# Altium PCB BACKPMANv21.PcbDoc (part 3 of 5) (continued)
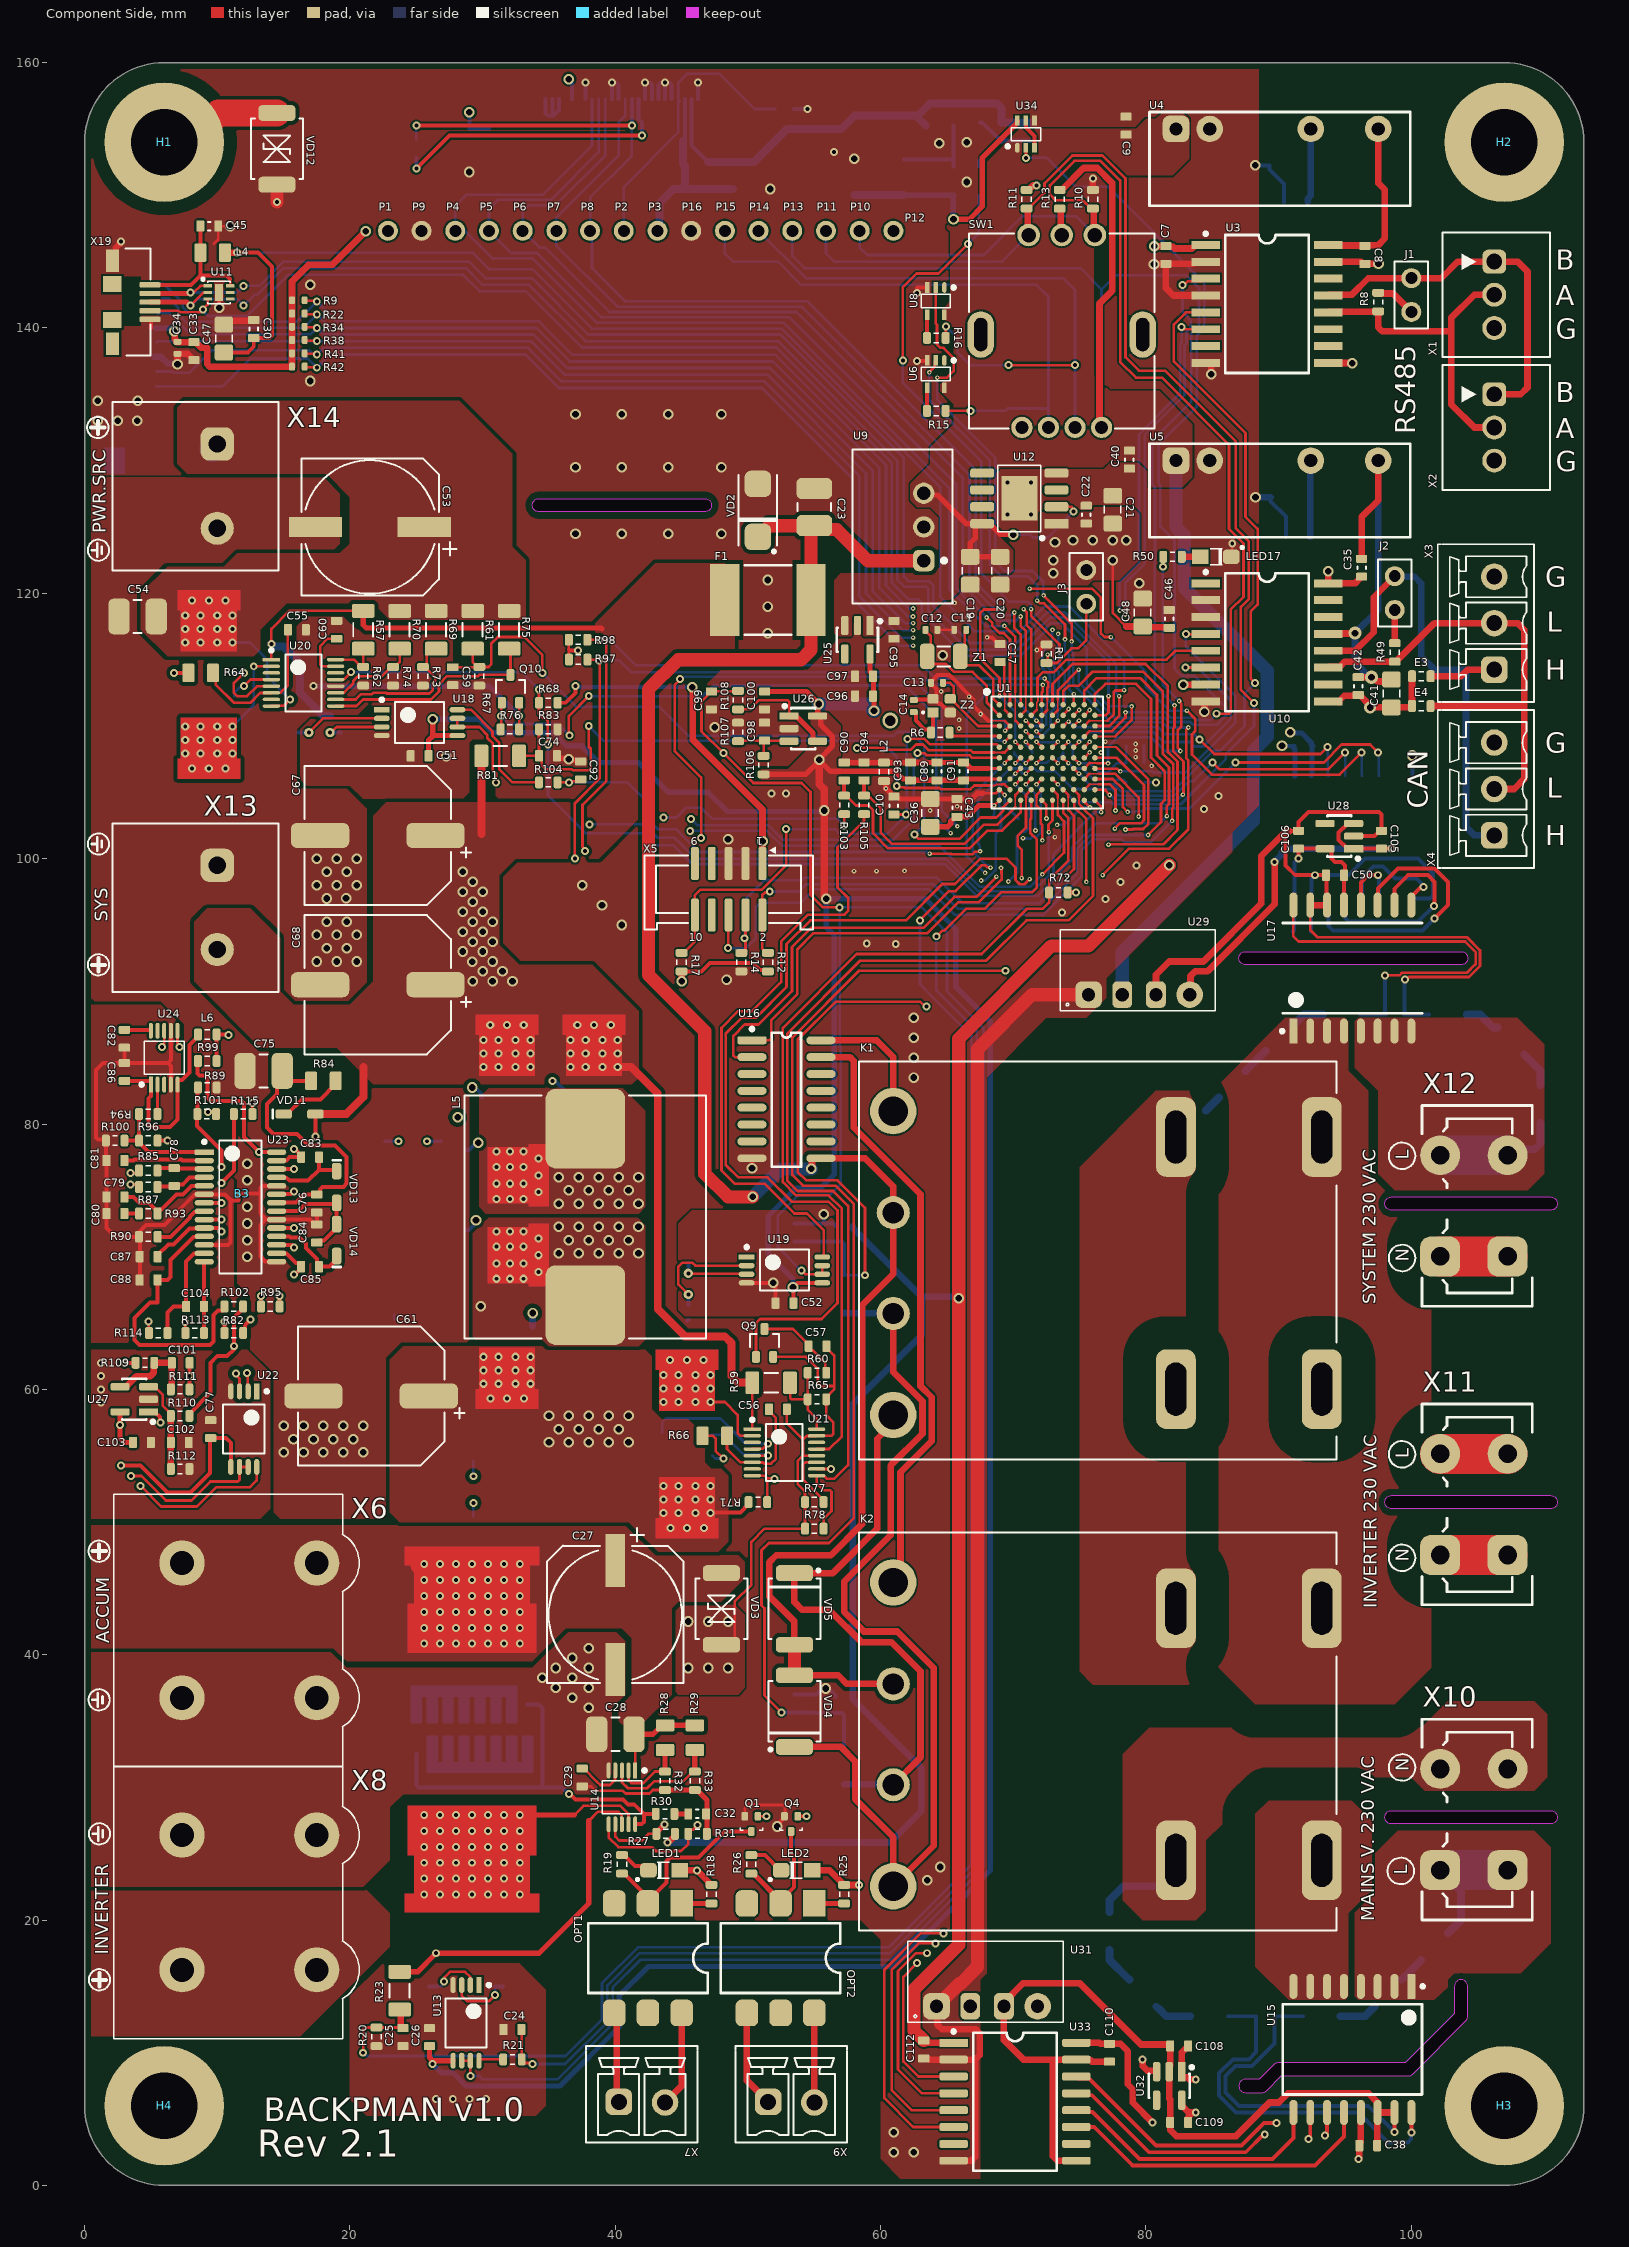
[diagram p0: Component Side view]
## Nets (pads, with @x,y where several pads share a name; then routed paths per layer and width w, separated by ;. In a path a pad name is that pad's centre, name@x,y a point inside that pad or via, vN(x,y) a via of type N, cw(c..) or ccw(c..) an arc to the next point about the centre after c; other vN are vias at no path point) (continued)
  Component Side w0.4: L2.1@60.25,105.85 60.293,105.85 60.393,105.75 v3(60.393,105.282) 60.775,104.9 60.775,104.775 60.875,104.675 C10.2@61,104.675 61.1,104.575 61.384,104.575 61.459,104.5 C36.1@63.75,104.5 C43.1@65.75,104.5 66.857,104.5 67.282,104.925 67.689,104.925
  Component Side w0.5: X19.G1@2.097,145.08 2.347,145.33 2.347,146.042 2.75,146.446 v2(2.75,146.5) ; v1(7,137.25) C34.1@7,138.048 7.777,138.048 8.075,137.75 8.075,137.625 8.125,137.575 C33.1@8.25,137.575 ; C47.2@10.5,140.25 10.8,140.55 12.7,140.55 C30.2@12.75,140.6 ; C112.1@63.25,9.525 63.63,9.525 63.675,9.48 U33.2@65.5,9.48 67.13,9.48 ; U31.1@64.21,13.5 64.275,13.435 64.275,12.1 64.6,11.775 67.175,11.775 67.475,11.475 67.475,9.825 67.13,9.48 ; U33.8@65.5,1.86 65.511,1.871 66.837,1.871 67.13,2.164 67.13,9.48 ; R11.2@71,150.4 71.15,150.4 71.481,150.731 71.731,150.731 v2(71.75,150.75) ; R10.2@76,150.4 v2(76,151.25) ; C9.1@78.5,155.925 C9.1@78.55,155.875 ; v1(79.5,120.75) v1@79.557,120.693 ; v1(80.6,144.8) 80.612,144.812 81.488,144.812 C7.2@81.5,144.825 ; v1(84.404,111.074) 84.404,111.81 84.454,111.86 U10.8@84.5,111.86 ; U10.3@84.5,118.21 U10.3@85.275,118.21 ; U3.8@84.5,137.36 84.875,137.36 84.925,137.31 v1(84.925,136.5) ; U3.2@84.5,144.98 83.725,144.98 83.57,144.825 C7.2@81.5,144.825 ; U3.4@84.515,142.425 U3.4@84.5,142.44 82.06,142.44 81.5,143 C7.2@81.5,144.825 ; U4.2@84.8,155 U4.2@84.8,155.406
  Component Side w1: v2(14.5,149.5) VD12.1@14.5,150.8 ; VD2.2@50.75,128.25 VD2.2@51.1,127.9 ; U31.1@64.21,13.5 64.735,14.025 64.755,14.025 65.93,15.2 66.022,15.2 67.3,16.478 67.3,85.65 71.4,89.75 U29.1@75.67,89.75 ; C21.1@77.4,127.35 C21.1@77.5,127.35 C21.1@77.6,127.25
  Bottom Layer w0.2: C39.1@68.5,110.425 69.225,110.425 69.39,110.26 v3(69.39,109.642) ; v3(69.35,104.8) 69.35,104 69.75,103.6 69.807,103.6 70.35,103.057 C18.1@70.35,103 ; v3(70.95,108.8) 70.979,108.771 70.979,108.571 71.425,108.125 C58.1@71.425,108 ; v3(71.75,108.8) 71.779,108.771 72.625,108.771 C37.1@72.669,108.727 72.714,108.771 73.321,108.771 v3(73.35,108.8) ; C16.2@79.85,107.25 C15.2@79.85,108.5 ; U30.2@92.452,106.278 U30.2@92.48,106.25
  Bottom Layer w0.3: LCD1.1@34.75,157.25 34.75,156.176 34.926,156 35.25,156 LCD1.2@35.25,157.25 ; 35.338,156 35.75,156.412 LCD1.3@35.75,157.25 ; LCD1.7@37.75,157.25 v2(37.75,158.5) ; LCD1.11@39.75,157.25 v2(39.75,158.5) 39.8,158.45 40.124,158.45 40.25,158.324 LCD1.12@40.25,157.25 ; LCD1.16@42.25,157.25 v2(42.25,158.5) 42.3,158.45 42.624,158.45 42.75,158.324 LCD1.17@42.75,157.25 ; LCD1.18@43.25,157.25 43.25,158.324 43.376,158.45 43.7,158.45 v2(43.75,158.5) ; LCD1.19@43.75,157.25 v2(43.75,158.5) ; LCD1.20@44.25,157.25 44.25,158.324 44.124,158.45 43.8,158.45 v2(43.75,158.5) ; LCD1.24@46.25,157.25 v2(46.25,158.5) ; R3.1@53.45,156.5 v2(54.5,156.5) ; C49.2@53.5,37 R54.1@55,37 55.15,37 55.504,37.354 55.754,37.354 v1(55.85,37.45) 55.946,37.354 56.196,37.354 56.6,36.95 VD7.1@56.6,36.8 ; C44.2@53.5,72.5 R52.1@55,72.5 55.725,72.5 ; v1(55.725,73.2) 55.725,72.5 ; VD6.1@56.6,72.3 56.6,72.35 56.45,72.5 55.725,72.5 ; v1@88.247,152.25 R116.1@89.325,152.25 89.325,151.925 90.4,150.85 C113.2@90.4,149.5 ; R117.1@89.4,127.25 89.4,126.925 90.55,125.775 C114.2@90.55,124.25 ; v1(100.075,107.775) 100.087,107.763 100.087,106.262 U30.8@100.1,106.25
  Bottom Layer w0.4: v1(90.88,109.54) 90.957,109.463 91.737,109.463 92.45,108.75 92.45,108.6 C111.1@92.55,108.5 ; U30.2@92.452,106.278 92.515,106.34 92.515,108.438 C111.1@92.564,108.486
  Bottom Layer w0.5: uSD1.6@5.243,137.815 5.763,137.815 6.27,137.307 6.943,137.307 v1(7,137.25) ; P9.1@25.209,147.511 P9.1@25.4,147.32 ; U4.2@84.8,154.625 U4.2@84.8,155 ; v1(88.25,127.25) R117.1@89.4,127.25
  other v1: 61,2.5 62.5,2.5 61,4 63.5,23 64.5,24 62.5,83.5 62.5,85 62.5,86.5 62.5,88 40.5,95 39,96.5 37.5,98 48.5,101.475 64.677,115.333 51.5,117 51.5,119 51.5,121 37,124.5 40.5,124.5 44,124.5 48,124.5 37,129.5 40.5,129.5 44,129.5 48,129.5 1,133 2.5,133 3.975,133 37,133.5 40.5,133.5 44,133.5 48,133.5 1,134.5 4,134.5 51.675,150.475 66.5,151 28.997,151.753 88.247,152.253 58,152.75 64.425,153.925 66.5,154
  other v2: 61.138,93.574 58.953,93.599 73.685,95.936 76.962,96.952 78.08,98.247 79.273,99.492 84.379,103.734 85.471,104.724 51.765,104.927 52.883,104.927 62.75,142.65 56.5,153.25
  other v3: 57.988,99.06 59.69,99.06 61.798,99.085 73.127,101.625 63.729,103.632 65.761,103.937 80.425,107 79.223,107.645 76.6,108 79.223,108.153 79.223,108.636 76.937,108.814 65.913,109.804 65.913,110.465 67.541,110.904 66.67,112.21 64.567,112.598 66.573,118.225 65.583,119.278
  other v5: 69.55,125.955 71.35,125.955 69.55,128.355 71.35,128.355
  other v6: 17,136 17,143.25
  other v8: 60.725,110.4
I1+3V3: C50.1 C106.1 C107.2 U17.13 U28.5 U30.16 | length 13.8
  Component Side w0.3: v2(91.5,100) C106.1@91.5,100.75 U28.5@93.5,100.75 93.85,100.75 93.975,100.625 93.975,100.025 94.25,99.75 94.75,99.75 95,99.5 95,98.825 C50.1@94.925,98.75 94.922,98.747 94.922,96.502 U17.13@94.92,96.5
  Bottom Layer w0.3: C107.2@91.075,94.5 91.142,94.568 91.142,96.932 U30.16@91.21,97 91.21,99.71 v2(91.5,100)
I1+5V: C105.1 U28.1 U28.3 U29.4 | length 28.7
  Component Side w0.3: U28.3@95.65,102.65 95.2,102.65 94.875,102.325 94.861,102.325 94.517,101.981 94.517,101.419 94.861,101.075 94.875,101.075 95.2,100.75 U28.1@95.65,100.75 C105.1@97.75,100.75 v2(98.5,100.75)
  Component Side w0.5: U29.4@83.29,89.75 83.357,89.817 83.357,91.157 83.7,91.5 84.625,91.5 89.7,96.575 v2(89.7,99.75)
  Bottom Layer w0.5: v2(89.7,99.75) 89.7,99.777 90.185,100.262 90.185,100.396 90.538,100.75 v2(98.5,100.75)
I1_GND: C50.2 C105.2 C106.2 C107.1 R46.2 R47.1 U17.14 U17.15 U28.2 U29.3 U30.9 U30.15 | length 83.3
  Component Side w0.2: U17.15@92.38,96.5 92.38,94.62 92.925,94.075 104.191,94.075 105.175,93.09 105.175,91.91 104.34,91.075 99.827,91.075 99.627,90.875 v2(99.519,90.875)
  Component Side w0.3: 90.5,101.75 90.5,99.5 91.25,98.75 v2(92.75,98.75) C50.2@93.575,98.75 93.612,98.712 93.612,96.538 U17.14@93.575,96.5 ; 90.816,102.066 91.466,102.066 C106.2@91.5,102.1 91.5,102.75 92.25,103.5 97.574,103.5 97.75,103.324 C105.2@97.75,102.1 97.625,102.1 97.225,101.7 U28.2@95.65,101.7
  Component Side w0.5: U29.3@80.75,89.75 80.75,91.25 81.75,92.25 84.325,92.25 88.675,96.6 88.675,100.175 90.375,101.875 90.566,102.066 90.816,102.066 ; U17.15@92.38,96.5 U17.14@93.575,96.5
  Bottom Layer w0.3: C107.1@92.425,94.5 92.452,94.528 92.452,96.972 U30.15@92.48,97 92.48,98.48 v2(92.75,98.75) 95.25,98.75 96.5,100 100.5,100 101.626,98.874 101.626,97.236 101.39,97 U30.9@100.1,97 ; v2(99.519,90.875) 99.484,90.84 99.484,88.284 R46.2@99.45,88.25 R47.1@101.325,88.25
I1_SPI1_CS: U17.9 U30.12 | length 9.1
  Component Side w0.3: U17.9@100,96.5 100,97.15 100.644,97.794 100.843,97.794 v2(100.9,97.852)
  Bottom Layer w0.3: U30.12@96.29,97 96.29,98.54 97.15,99.4 97.85,99.4 98.75,98.5 100.382,98.5 100.75,98.132 100.75,98.083 100.9,97.933 v2(100.9,97.852)
I1_SPI1_MISO: U17.12 U30.11 | length 5
  Component Side w0.3: U17.12@96.19,96.5 96.19,98.19 96.75,98.75 v2(97.5,98.75)
  Bottom Layer w0.3: v2(97.5,98.75) 97.56,98.69 U30.11@97.56,97
I1_SPI1_MOSI: U17.10 U30.13 | length 15.5
  Component Side w0.3: U17.10@98.73,96.5 98.73,97.73 99.75,98.75 101.25,98.75 101.75,98.25 101.75,96.47 v2(101.721,96.441)
  Bottom Layer w0.3: U30.13@95.02,97 95.02,95.48 95.25,95.25 100.5,95.25 101.691,96.441 v2(101.721,96.441)
I1_SPI1_SCK: U17.11 U30.14 | length 21.3
  Component Side w0.3: U17.11@97.46,96.5 97.5,96.54 97.5,97.75 99,99.25 101.75,99.25 102.75,98.25 102.75,96.5 v2(101.75,95.5)
  Bottom Layer w0.3: U30.14@93.75,97 93.75,94.926 94.076,94.6 100.85,94.6 v2(101.75,95.5)
I2+3V3: C38.1 C109.1 C110.2 U15.13 U32.5 U33.16 | length 33.7
  Component Side w0.5: U33.16@74.75,10.75 76.475,10.75 76.55,10.675 C110.2@77.25,10.675 78.075,10.675 78.625,10.125 78.625,7.625 79,7.25 79,6.25 v2(80.5,4.75) ; U32.5@82.7,6.425 82.7,6.025 83.225,5.5 v2@83.526,5.5 ; C109.1@83.175,4.75 83.175,5.149 v2@83.526,5.5 ; v2(83.75,5.5) v2@83.526,5.5 ; v2(96,2) 96.075,2.075 C38.1@96.075,3 96.075,3.125 96.19,3.24 U15.13@96.19,5.5
  Layer 1 w0.5: v2(80.5,4.75) 83.25,4.75 v2@83.75,5.25 ; v2(83.75,5.5) v2@83.75,5.25 ; v2(96,2) 92.619,2 91.869,2.75 86.25,2.75 v2@83.75,5.25
I2+5V: C108.1 U31.4 U32.1 U32.3 | length 20.3
  Component Side w0.5: v2(79.75,9.5) 79.75,9 80.101,8.649 80.775,8.649 80.8,8.624 U32.3@80.8,8.575 ; C108.1@83.175,10.5 C108.1@83.175,10.375 ; v2(83.75,8) 83.275,8 83.125,8.15 82.725,8.15 82.7,8.175 U32.1@82.7,8.575 82.7,10.023 C108.1@83.051,10.375 ; C108.1@83.051,10.375 C108.1@83.175,10.375 ; C108.1@83.051,10.375 C108.1@83.175,10.375
  Layer 1 w0.5: U31.4@71.83,13.5 74.75,13.5 78.75,9.5 v2(79.75,9.5) 83.129,9.5 83.75,8.879 v2(83.75,8)
I2_GND: C38.2 C108.2 C109.2 C110.1 R36.2 R37.1 U15.14 U15.15 U31.3 U32.2 U33.9 U33.15 | length 89.9
  Component Side w0.3: v2(98.73,4.02) U15.15@98.73,5.5
  Component Side w0.5: U33.9@74.75,1.86 73.316,1.86 72.975,2.201 72.975,9.129 73.326,9.48 ; C110.1@77.25,9.325 75.925,9.325 75.77,9.48 U33.15@74.75,9.48 73.326,9.48 ; C38.2@97.425,3 97.425,5.465 U15.14@97.443,5.483 ; U15.15@98.73,5.5 U15.14@97.46,5.5 97.46,6.259 96.769,6.95 90.7,6.95 90,6.25 89.312,6.25 86.78,3.718 82.282,3.718 81.825,4.175 C109.2@81.825,4.75 81.825,6.475 81.75,6.55 U32.2@81.75,8.575 81.75,8.975 81.825,9.05 C108.2@81.825,10.5 81.825,10.625 79.625,10.625 75,15.25 70.75,15.25 69.29,13.79 U31.3@69.29,13.5 69.29,10.96 70.77,9.48 73.326,9.48
  Bottom Layer w0.3: R36.2@91.825,12.75 R37.1@89.7,12.75 89.7,10.7 88,9 86.75,9 86,8.25 86,7 87,6 96.75,6 v2(98.73,4.02)
I2_SPI0_CS: U15.9 U33.12 | length 20.5
  Component Side w0.3: U33.12@74.75,5.67 74.872,5.548 75.952,5.548 79.5,2 89.534,2 91.11,3.576 U15.9@91.11,5.5
I2_SPI0_MISO: U15.12 U33.11 | length 24.1
  Component Side w0.3: U33.11@74.75,4.4 76.1,4.4 79,1.5 92.75,1.5 94.92,3.67 U15.12@94.92,5.5
I2_SPI0_MOSI: U15.10 U33.13 | length 22.1
  Component Side w0.3: U33.13@74.75,6.94 74.894,6.796 75.929,6.796 80.225,2.5 87.519,2.5 88.869,3.85 v2(88.95,3.85) ; v2(92.25,3.5) 92.25,3.581 92.38,3.711 U15.10@92.38,5.5
  Layer 1 w0.3: v2(88.95,3.85) 91.819,3.85 92.169,3.5 v2(92.25,3.5)
I2_SPI0_SCK: U15.11 U33.14 | length 23.8
  Component Side w0.3: U33.14@74.75,8.21 74.9,8.06 75.69,8.06 80.75,3 87.181,3 88.881,4.7 v2(89.85,4.7) ; v2(93.5,3.75) 93.5,3.831 93.65,3.981 U15.11@93.65,5.5
  Layer 1 w0.3: v2(89.85,4.7) 92.55,4.7 v2(93.5,3.75)
I2C1_SCL: R98.2 U1.B5 U24.6 | length 99.5
  Component Side w0.125: 72.55,111.975 72.558,111.967 72.558,111.207
  Component Side w0.2: U24.6@7,87.025 7,86.058 7.15,85.908 v2(7.15,85.8) ; v2(37.709,100.579) 37.709,100.688 37.524,100.872 37.524,104.049 39.325,105.85 39.325,116.383 39.208,116.5 R98.2@37.9,116.5 ; U1.B5@72.15,110.8 72.558,111.207 ; v3(72.363,113.575) 72.363,113.539 72.625,113.277 72.625,112.934 72.55,112.859 72.55,111.975
  Layer 2 w0.2: v2(7.15,85.8) 20.25,85.8 24.25,89.8 24.25,99 25.975,100.725 37.455,100.725 37.601,100.579 v2(37.709,100.579)
  Bottom Layer w0.2: v2(38.775,116.475) 39.65,116.475 41.55,114.575 63.149,114.575 64.149,113.575 v3(72.363,113.575)
I2C1_SDA: R97.2 U1.A5 U24.8 | length 96.9
  Component Side w0.2: v2(5.825,85.8) 6,85.975 U24.8@6,87.025 ; v2(36.95,100) 36.95,104.175 38.825,106.05 38.825,114.883 38.708,115 R97.2@37.9,115 ; U1.A5@72.15,111.6 72.15,112.525 72.225,112.6 v3(72.225,113.1)
  Layer 2 w0.2: v2(5.825,85.8) 6.625,85 20.5,85 24.75,89.25 24.75,98.75 26,100 v2(36.95,100)
  Bottom Layer w0.2: v2(38.766,114.941) 40.309,114.941 41.2,114.05 62.912,114.05 63.862,113.1 v3(72.225,113.1)
IGND: C35.1 C41.1 C42.1 C114.1 E3.1 E4.1 R117.2 U5.5 U10.9 U10.16 X3.3 X4.3 | length 27.3
  Component Side w0.5: U5.5@92.42,129.905 U5.5@92.42,130 ; U10.9@93.75,111.86 U10.9@94.525,111.86 ; U10.9@94.575,111.81 U10.9@94.525,111.86 ; C35.1@96.375,121.25 96.125,121.25 96.075,121.2 96.075,121.075 95.75,120.75 U10.16@93.75,120.75 ; E4.1@100.05,111.35 E3.1@100.05,113.75 ; E4.1@100.05,111.448 100,111.398 98.502,111.398 C41.1@98.5,111.4 98.498,111.398 96.898,111.398 v9(96.896,111.396) 96.82,111.473 96.82,111.63 C42.1@96.175,112.275 ; X4.3@105.999,109.001 X4.3@106.25,108.75 ; U10.16@93.75,120.75 93.75,121.675 U10.16@93.75,120.75 ; U10.9@94.525,111.86 94.94,112.275 ; 94.94,112.275 C42.1@96.175,112.275 ; 94.94,112.275 C42.1@96.175,112.275
  Bottom Layer w0.5: C114.1@92.35,124.25 C114.1@92.385,124.285 ; U5.5@92.42,130 U5.5@92.385,129.965 ; C114.1@92.385,124.285 U5.5@92.385,129.965 ; C114.1@92.385,124.285 U5.5@92.385,129.965
  other v1: 93.725,121.675
IGND2: C8.1 C113.1 R116.2 U3.9 U3.15 U4.5 X1.3 X2.3 | length 18.1
  Component Side w0.5: U3.15@93.73,145 U3.15@93.75,144.98 96.22,144.98 96.375,144.825 C8.1@96.5,144.825 v1(97.525,144.825) ; U3.9@93.75,137.36 95.55,137.36 U3.9@93.75,137.36
  Bottom Layer w0.5: C113.1@92.2,149.5 92.2,149.75 C113.1@92.42,149.97 ; C113.1@92.42,149.97 U4.5@92.42,155 C113.1@92.42,149.97
  other v1: 95.55,137.35
INTVCC: C84.1 U23.21 VD13.2 VD14.2 | length 10.9
  Component Side w0.3: U23.21@14.475,73.432 16.083,73.432 16.635,73.985 ; C84.1@17.5,71.075 17.65,71.225 18.05,71.225 19,72.175 VD13.2@19,74.05 ; 16.635,73.985 19,73.985 16.635,73.985
INV_PATH_STATE: C49.1 R53.2 R54.2 U1.J4 VD7.3 | length 100.4
  Component Side w0.125: 70.95,103.725 70.959,103.734 70.959,104.562 70.966,104.569 70.966,104.59
  Component Side w0.2: v2(52.525,35.65) 51.25,36.925 51.25,43.497 51.023,43.724 51.023,47.873 51.575,48.425 56.1,48.425 57.975,50.3 57.975,73.959 56.584,75.35 54.15,75.35 53.35,76.15 53.35,86.516 58.384,91.55 v2(69.425,91.55) ; v3(70.625,98.525) 70.625,100.675 70.327,100.973 70.327,101.716 70.95,102.339 70.95,103.725 ; 70.966,104.59 70.95,104.606 70.95,104.8 U1.J4@71.35,105.2
  Layer 1 w0.2: v2(69.425,91.55) 69.425,97.325 v3(70.625,98.525)
  Bottom Layer w0.3: v2(52.525,35.65) C49.1@53.5,35.65 54.95,35.65 R54.2@55,35.6 57.074,35.6 57.25,35.424 VD7.3@57.25,34.7 R53.2@57.25,33.1
INV_PWR: B2.1 R23.2 R24.1 U14.8 X8.2 | length 26.2
  Component Side w0.2: 38,27.481 38.684,28.165 40.203,28.165 40.49,27.878 40.49,27.235 U14.8@40.5,27.225
  Component Side w0.4: R23.2@23.75,16.1 25.1,16.1 v2(26.5,17.5) 34.25,17.5 38,21.25 38,27.481
INVERT_I: C24.2 R21.2 U1.K4 | length 134.2
  Component Side w0.2: C24.2@32.938,11.75 R21.2@32.938,9.459 ; C24.2@32.938,11.888 R21.2@32.938,9.459 ; v2(33.75,9.15) 33.675,9.225 33.146,9.225 33.146,9.25 R21.2@32.938,9.459 ; v2(64.2,94.15) 64.234,94.15 64.641,94.557 64.782,94.557 66.44,96.215 67.843,96.215 69.088,97.46 71.4,97.46 71.775,97.834 71.775,101.434 71.275,101.934 71.275,102.95 71.35,103.025 U1.K4@71.35,104.4
  Bottom Layer w0.2: v2(33.75,9.15) 36.216,9.15 39.4,12.334 39.4,15.084 41.816,17.5 60.727,17.5 67.25,24.023 67.25,87 64.2,90.05 v2(64.2,94.15)
INVERT_V: C25.2 R20.2 R23.1 U1.F2 | length 149.5
  Component Side w0.2: v2(21,10) 21,11.75 21.15,11.9 R20.2@22,11.9 C25.2@23.825,11.9 ; v2(62.967,95.326) 62.967,95.367 65.15,97.55 65.648,97.55 67.598,99.5 67.884,99.5 68.031,99.354 68.246,99.354 v3(68.275,99.325) ; v3(69.35,107.2) U1.F2@69.75,107.6
  Component Side w0.5: R23.1@23.75,13.25 23.75,13.05 23.825,12.975 C25.2@23.825,11.9
  Bottom Layer w0.2: v2(21,10) 21.25,9.75 36.25,9.75 39,12.5 39,15.25 41.7,17.95 60.612,17.95 66.85,24.188 66.85,86.65 63.85,89.65 62.967,90.533 v2(62.967,95.326) ; v3(68.275,99.325) 68.259,99.325 68.087,99.498 67.983,99.498 66.954,100.526 66.954,104.804 v3(69.35,107.2)
INVSW_FAULT: R27.1 U1.H5 U14.7 | length 110.8
  Component Side w0.2: U14.7@40,27.225 40,26.291 40.291,26 42,26 42.5,26.5 R27.1@43.1,26.5 ; v3(71.75,105.6) U1.H5@72.15,106
  Component Side w0.4: R27.1@43.1,26.5 43.1,26.65 43.2,26.75 43.25,26.75 v2(43.7,27.2)
  Layer 1 w0.2: v2(43.7,27.2) 44.261,27.761 46.811,27.761 46.902,27.67 49.345,27.67 51.075,29.4 57.575,29.4 58.7,28.275 62.575,28.275 63.55,29.25 63.55,69.3 64.8,70.55 64.8,99.656 66.977,101.832 68.69,101.832 68.797,101.725 70.511,101.725 70.686,101.55 v3(70.727,101.55)
  Bottom Layer w0.2: v3(70.727,101.55) 70.755,101.521 71.103,101.521 71.136,101.489 71.302,101.489 71.456,101.643 71.759,101.643 72.075,101.959 72.075,105.253 71.75,105.578 v3(71.75,105.6)
INVSW_ON: R31.2 U1.J5 U14.6 | length 112.1
  Component Side w0.125: 71.75,104 71.75,104.606
  Component Side w0.2: U14.6@39.5,27.225 39.5,26.225 40.225,25.5 42.75,25.5 43.05,25.2 44.95,25.2 45.5,25.75 45.5,26.623 45.696,26.819 45.868,26.819 v2(46.209,27.161) ; 71.75,104 72.075,103.675 72.075,102.652 72.192,102.535 v3(72.192,101.383) ; 71.75,104.606 71.75,104.8 U1.J5@72.15,105.2
  Layer 1 w0.2: v2(46.209,27.161) 49.636,27.161 51.475,29 57.325,29 58.45,27.875 62.75,27.875 63.95,29.075 63.95,68.95 65.25,70.25 65.25,99.54 67.142,101.432 68.524,101.432 68.7,101.257 70.295,101.257 70.477,101.075 70.95,101.075 71.258,101.383 v3(72.192,101.383)
IV5V: C35.2 C41.2 C42.2 U5.7 U10.13 | length 30.3
  Component Side w0.5: U10.13@93.75,116.94 93.78,116.97 95.72,116.97 v7(95.75,117) ; C42.2@96,113.675 v7(96.993,113.676) ; C35.2@96.25,122.6 96.25,125.75 97.5,127 U5.7@97.5,130 ; v7(96.993,113.676) 97.129,113.676 97.454,113.35 98.35,113.35 C41.2@98.5,113.5
  Bottom Layer w0.5: v7(96.993,113.676) 96.858,113.676 96.137,114.396 96.104,114.396 95.75,114.75 v7(95.75,117) 97.5,118.75 U5.7@97.5,130
IV5V2: C8.2 U3.16 U4.7 | length 13
  Component Side w0.5: U3.16@93.75,146.25 93.787,146.213 96.462,146.213 C8.2@96.5,146.175 96.55,146.225 97.475,146.225 98,146.75 98,150.422 97.5,150.922 U4.7@97.5,155
L1: R35_1.1 U15.1 U15.2 U15.3 U15.4 X10.1 | length 16
  Layer 2 w3: X10.1@102.17,23.768 X10.1@107.25,23.768
  Bottom Layer w0.6: X10.1@102.17,23.768 103.75,22.188 103.75,20 102.917,19.167 R35_1.1@102.758,19.008
  Bottom Layer w3: X10.1@102.17,23.768 X10.1@107.25,23.768
L1.1: K2.8 U15.5 U15.6 U15.7 U15.8
L1_1: R35.1 R35_1.2 | length 2.1
  Bottom Layer w0.6: R35.1@99.258,15.508 R35_1.2@100.742,16.992
L1_2: R35.2 R36.1 | length 2.9
  Bottom Layer w0.6: R36.1@94.675,12.75 96.5,12.75 R35.2@97.242,13.492
L2: R48_1.1 U17.5 U17.6 U17.7 U17.8 X12.2 | length 19.6
  Layer 1 w3: X12.2@102.17,77.638 X12.2@107.25,77.638
  Layer 2 w3: X12.2@102.17,77.638 X12.2@107.25,77.638
  Bottom Layer w0.6: X12.2@107.25,77.638 107.709,78.097 109.297,78.097 109.75,78.55 R48_1.1@109.75,80.075
  Bottom Layer w3: X12.2@102.17,77.638 X12.2@107.25,77.638
L2.1: K1.1 K2.1 U17.1 U17.2 U17.3 U17.4
L2_1: R48.2 R48_1.2 | length 2.8
  Bottom Layer w0.6: R48.2@108.508,85.242 109.75,84 R48_1.2@109.75,82.925
L2_2: R47.2 R48.1 | length 2.7
  Bottom Layer w0.6: R47.2@104.175,88.25 105.182,88.25 106.174,87.258 R48.1@106.492,87.258
L3: K1.8 X11.2 | length 10.2
  Component Side w3: X11.2@102.17,55.138 X11.2@107.25,55.138
  Layer 1 w3: X11.2@102.17,55.138 X11.2@107.25,55.138
LED_GR: U1.A8 U6.2 | length 32
  Component Side w0.2: v3@63.663,136.662 64.075,137.075 64.075,137.475 U6.2@64.15,137.55 ; v3(71.8,119.45) 71.8,119.446 72,119.246 72.32,119.246 73.9,117.666 v3(73.9,116.525) ; U1.A8@74.55,111.6 74.554,111.604 74.554,112.39 v3(74.558,112.394)
  Bottom Layer w0.2: v3(63.675,136.65) 63.675,134.55 68.225,130 68.225,122.15 69.1,121.275 71.125,121.275 71.8,120.6 v3(71.8,119.45) ; v3(73.9,116.525) 73.875,116.5 73.875,115.69 74.198,115.367 74.198,112.746 74.55,112.394 v3(74.558,112.394)
LED_RD: U1.J7 U8.2 | length 72.5
  Component Side w0.125: 74.143,103.657 74.143,104.648
  Component Side w0.2: U8.2@64.15,143.05 64.15,140.35 64.25,140.25 64.25,138.75 64.5,138.5 64.75,138.5 65.5,137.75 65.5,136.75 65,136.25 v3(64.275,136.25) ; v3(72.281,119.85) 74.4,117.731 v3(74.4,116.375) ; U1.J7@73.75,105.2 74.143,104.807 74.143,104.648 ; v3(74.058,98.692) 74.574,99.209 74.574,103.226 74.143,103.657 ; v3(76.733,98.755) 78.728,100.75 81.75,100.75 83.179,102.179 83.179,107.425 83.025,107.579 83.025,109.688 83.185,109.848 v3(83.185,109.88)
  Layer 1 w0.2: v3(74.058,98.692) 74.098,98.692 74.161,98.755 v3(76.733,98.755)
  Bottom Layer w0.2: v3(64.275,136.25) 64.275,134.575 68.65,130.2 68.65,122.35 69.325,121.675 71.45,121.675 72.255,120.87 72.255,119.877 v3(72.281,119.85) ; v3(74.4,116.375) 74.396,116.371 74.396,115.629 74.523,115.502 74.523,113.127 77.375,110.275 81.238,110.275 81.632,109.88 v3(83.185,109.88)
LEDCAN0: R50.2 U1.G9 | length 24.7
  Component Side w0.125: 75.757,107.207 76.312,107.207
  Component Side w0.2: U1.G9@75.35,106.8 75.757,107.207 ; 76.34,107.184 76.344,107.188 v3(77.14,107.188) ; v2(81.275,122) 81.287,122.012 81.287,122.737 R50.2@81.3,122.75 ; v3(82.494,111.878) 82.494,111.837 82.645,111.686 82.645,109.94 82.398,109.692 82.398,108.353 82.593,108.158 v3(82.593,108.117)
  Bottom Layer w0.2: v3(77.14,107.188) 77.14,108.407 77.882,109.15 80.385,109.15 81.418,108.117 v3(82.593,108.117) ; v2(81.275,122) 81.275,113.074 82.471,111.878 v3(82.494,111.878)
MAINS_PATH_STATE: C44.1 R51.2 R52.2 U1.H4 VD6.3 | length 64
  Component Side w0.2: v2(58.822,68.6) 58.822,73.678 56.75,75.75 54.4,75.75 53.75,76.4 53.75,86.35 56.625,89.225 62.976,89.225 v2@63.351,88.85 ; v3(70.95,105.6) U1.H4@71.35,106
  Layer 1 w0.2: v2(63.45,88.85) 63.45,94.249 64.3,95.099 64.3,99.721 66.811,102.232 69.169,102.232 69.276,102.125 v3(71.675,102.125)
  Bottom Layer w0.2: R51.2@57.25,68.6 v2(58.822,68.6) ; v3(70.95,105.6) 71.65,104.9 71.65,102.15 v3(71.675,102.125)
  Bottom Layer w0.3: C44.1@53.5,71.15 57.074,71.15 57.25,70.974 VD6.3@57.25,70.2 R51.2@57.25,68.6
N1: K2.7 R40_1.1 X10.2 | length 7.6
  Bottom Layer w0.6: R40_1.1@77.25,20.6 77.25,21.5 78.3,22.55 81.084,22.55 82.25,23.716 K2.7@82.25,24.5
N1_1: R40.2 R40_1.2 | length 2.9
  Bottom Layer w0.6: R40_1.2@77.25,17.75 77.25,17 R40.2@78.742,15.508
N1_2: R39.2 R40.1 | length 2.9
  Bottom Layer w0.5: R40.1@80.758,13.492 80.9,13.35 R40.1@80.933,13.35
  Bottom Layer w0.6: R40.1@80.933,13.35 81.533,12.75 R39.2@83.325,12.75
N1_3: R37.2 R39.1 U15.16 | length 28
  Component Side w0.3: v2(100,4) U15.16@100,5.5
  Bottom Layer w0.3: R39.1@86.175,12.75 R37.2@88.3,12.75 88.3,10.05 87.75,9.5 86.543,9.5 85.5,8.457 85.5,6.793 86.793,5.5 96,5.5 98.25,3.25 99.75,3.25 99.979,3.479 99.979,3.979 v2(100,4)
N2: K1.2 K2.2 R44_1.1 X12.1 | length 11.6
  Component Side w3: X12.1@102.17,70.018 X12.1@107.25,70.018
  Layer 1 w3: X12.1@102.17,70.018 X12.1@107.25,70.018
  Bottom Layer w0.6: 84.525,81 84.525,81.025 R44_1.1@85.492,81.992
N2_1: R44.1 R44_1.2 | length 2.1
  Bottom Layer w0.6: R44_1.2@87.508,84.008 R44.1@88.992,85.492
N2_2: R44.2 R45.1 | length 2.6
  Bottom Layer w0.6: R44.2@91.008,87.508 91.158,87.508 91.9,88.25 R45.1@93.325,88.25
N2_3: R45.2 R46.1 U17.16 | length 29.6
  Component Side w0.2: U17.16@91.11,96.5 91.11,94.14 91.5,93.75 104.056,93.75 104.85,92.956 104.85,92.044 104.774,91.968 104.282,91.476 104.206,91.4 99.301,91.4 99.101,91.2 v2(98,91.2)
  Bottom Layer w0.3: R45.2@96.175,88.25 R46.1@98.05,88.25 98.025,88.275 98.025,91.175 v2(98,91.2) v2@98.052,91.148
N3: K1.7 X11.1 | length 10.2
  Component Side w3: X11.1@102.17,47.518 X11.1@107.25,47.518
  Layer 1 w3: X11.1@102.17,47.518 X11.1@107.25,47.518
NetB1_1: B1.1 Q3.3 R24.2 U14.9 | length 9.5
  Component Side w0.2: 36.92,27.92 37.605,28.605 40.385,28.605 40.99,28 40.99,27.235 U14.9@41,27.225
  Component Side w0.4: v5(32.8,27.92) 36.92,27.92
  other v5: 25.6,21.92 26.8,21.92 28,21.92 29.2,21.92 30.4,21.92 31.6,21.92 32.8,21.92 25.6,23.12 26.8,23.12 28,23.12 29.2,23.12 30.4,23.12 31.6,23.12 32.8,23.12 25.6,24.32 26.8,24.32 28,24.32 29.2,24.32 30.4,24.32 31.6,24.32 32.8,24.32 25.6,25.52 26.8,25.52 28,25.52 29.2,25.52 30.4,25.52 31.6,25.52 32.8,25.52 25.6,26.72 26.8,26.72 28,26.72 29.2,26.72 30.4,26.72 31.6,26.72 32.8,26.72 25.6,27.92 26.8,27.92 28,27.92 29.2,27.92 30.4,27.92 31.6,27.92
NetC5_1: C5.1 LCD1.22 P3.1 | length 15
  Bottom Layer w0.3: 45.1,154.075 45.25,154.225 LCD1.22@45.25,157.25
  Bottom Layer w0.6: P3.1@43.18,147.32 43.325,147.465 43.325,149.4 44.4,150.475 45.25,150.475 ; 45.1,154.075 45.1,152.35 45.25,152.2 45.25,150.475 ; C5.1@48.875,150.475 45.25,150.475
NetC6_2: C6.2 R4.1 R5.1 U2.3 | length 7.3
  Bottom Layer w0.3: U2.3@67.4,152.15 67.4,152.6 68.8,154 69.1,154 C6.2@69.25,154.15 ; R5.1@67.5,155.5 67.65,155.5 68.85,154.3 69.1,154.3 C6.2@69.25,154.15 ; R4.1@71.25,154.1 71.225,154.125 69.275,154.125 C6.2@69.25,154.15
NetC11_1: C11.1 U1.A1 Z1.2 | length 7.6
  Component Side w0.2: C11.1@66.452,117.25 66.335,117.133 66.335,115.585 Z1.2@66,115.25 66,115.005 66.437,114.568 67.432,114.568 68.5,113.5 68.5,112.05 U1.A1@68.95,111.6
NetC12_1: C12.1 U1.B1 Z1.1 | length 10.4
  Component Side w0.2: C12.1@63.373,117.246 63.373,117.171 63.777,116.767 63.777,115.527 Z1.1@63.5,115.25 63.5,115.112 63.937,114.675 64.918,114.675 65.518,114.075 66.925,114.075 68,113 68,111.75 U1.B1@68.95,110.8
NetC14_1: C14.1 R6.1 Z2.1 | length 3.9
  Component Side w0.3: C14.1@62.5,111.048 62.575,111.048 62.65,110.973 62.65,110.425 63.325,109.75 R6.1@63.95,109.75 ; R6.1@63.8,109.5 63.95,109.65 R6.1@63.95,109.75 ; Z2.1@63.95,111 R6.1@63.95,109.75
NetC15_1: C15.1 C16.1 U1.E7 U1.F8 | length 8.5
  Component Side w0.2: U1.E7@73.75,108.4 v3(74.15,108.8) ; U1.F8@74.55,107.6 v3(74.95,107.2)
  Bottom Layer w0.2: v3(74.15,108.8) 74.15,108.778 74.475,108.453 74.475,107.62 74.744,107.351 74.759,107.351 74.909,107.2 75.75,107.2 76.45,106.5 77.121,106.5 77.821,107.2 78.45,107.2 C16.1@78.5,107.25 C15.1@78.5,108.5
NetC29_1: C29.1 U14.4 | length 3.9
  Component Side w0.2: C29.1@37.5,31.425 37.625,31.425 38.6,30.45 38.875,30.175 39.6,30.175 39.981,30.556 39.981,31.256 U14.4@40,31.275
NetC32_1: C32.1 R30.2 | length 1
  Component Side w0.4: R30.2@44.45,28 C32.1@45.5,28